# Altium PCB Mirny.PcbDoc (part 6 of 8) (continued)
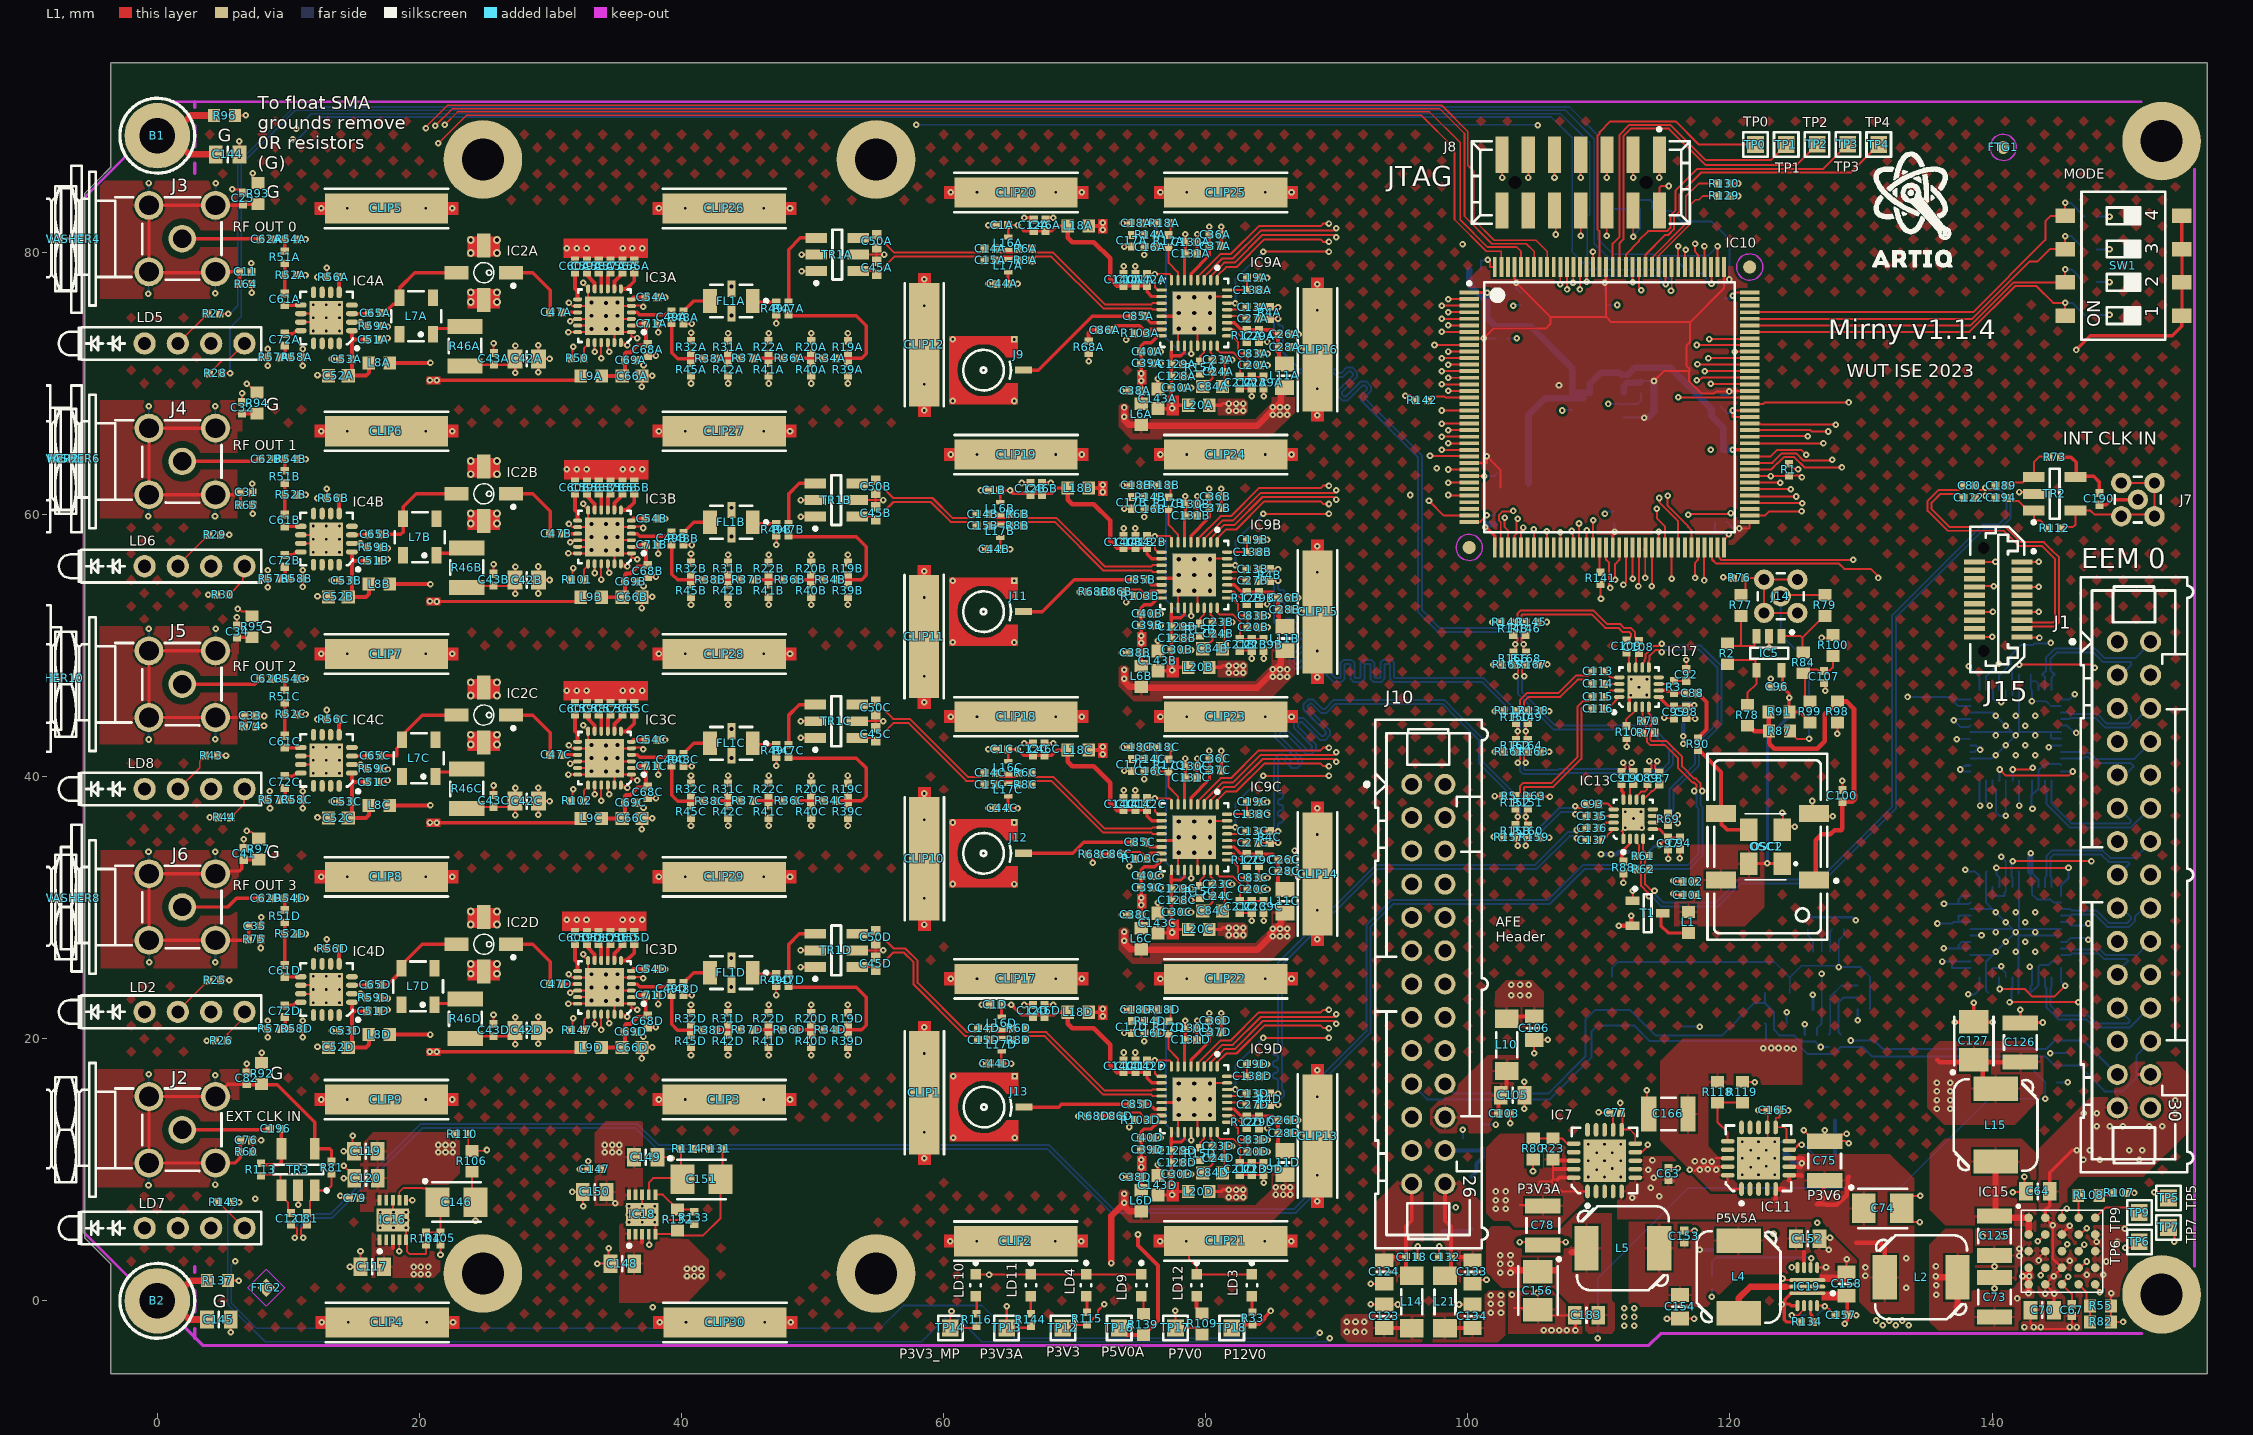
[diagram p0: L1 view]
## Nets (pads, with @x,y where several pads share a name; then routed paths per layer and width w, separated by ;. In a path a pad name is that pad's centre, name@x,y a point inside that pad or via, vN(x,y) a via of type N, cw(c..) or ccw(c..) an arc to the next point about the centre after c; other vN are vias at no path point) (continued)
  L4 w0.35: v1@86.284,28.423 87.11,29.248 91.682,29.248 92.952,30.518 101.905,30.518 102.095,30.709 111.049,30.709 ; v1@110.859,34.074 110.881,34.074 110.951,34.143 110.951,34.166 111.303,34.519 111.303,38.138 113.018,39.853 115.558,39.853 116.447,40.742 v1(116.447,42.52) ; v1(110.922,34.074) 110.922,30.836 111.049,30.709 ; v1@112.51,29.248 111.049,30.709
  L4 w0.5: v1(64.811,-0.413) 64.811,1.545 66.147,2.881 v1(72.789,2.881) ; v1@72.251,22.327 72.251,25.941 v1(73.777,27.468)
  L6 w0.35: v1(110.16,34.074) v1(110.922,34.074) 111.352,34.074 111.542,34.265 L13.2@112.217,34.265 ; v1(116.447,42.52) v1(116.447,43.091) L3.2@116.447,44.005
  other v1: 102.126,7.01 102.904,7.01 102.126,7.684 102.904,7.684 85.347,8.109 102.126,8.343 102.904,8.343 85.347,8.663 85.901,8.663 73.791,28.166 85.665,28.376 73.777,47.468 73.791,48.166 85.665,48.174 73.777,67.468 73.791,68.166 85.665,68.174
P3V6: C63.1 C74.1 C75.2 C160.1 IC7.5 IC7.6 IC7.7 IC7.8 IC11.5 IC11.6 IC11.7 IC11.8 L2.2 | length 18.6
  L1 w0.152: v1(112.547,7.868) 112.843,7.868 ; C63.1@115.304,9.18 115.689,9.18 115.689,9.066
  L1 w0.211: v1(125.473,10.499) 125.66,10.687
  L1 w0.35: 123.481,7.802 IC11.5@123.481,8.53 124.141,8.53 124.162,8.509 ; 124.503,9.202 124.531,9.202 IC11.6@124.531,9.58 125.427,9.58 125.457,9.551 ; IC11.7@124.531,10.23 125.362,10.23 125.381,10.211 ; IC11.8@124.531,10.88 125.524,10.88 125.559,10.846 ; C75.2@127.222,9.175 127.151,9.104 127.151,7.876 126.643,7.368 127.278,7.368 127.329,7.318 128.167,7.318 128.903,8.054 128.903,8.613 128.98,8.689 128.98,9.4 129.056,9.477 ; 129.623,4.445 131.426,4.445 131.809,4.062 L2.2@131.809,1.791 L2.2@131.588,1.57
  L1 w0.406: 123.476,7.544 123.481,7.549 123.481,7.802
  L6 w0.152: v1(125.473,10.499) v1@125.516,10.543
  L6 w0.5: C160.1@124.267,11.178 124.946,10.499 v1(125.473,10.499)
  other v1: 133.444,0.988 130.339,1.92 130.339,2.546 133.444,3.238 114.605,7.982 113.944,8.636 114.194,9.386 113.78,10.006 114.087,10.717
P5V0_VPA: C30A.2 C128A.2 C129A.2 C130A.2 C131A.2 C143A.2 IC9A.6 IC9A.17 IC9A.19 L20A.1 | length 11.7
  L1 w0.25: C143A.2@76.352,68.075 77.397,68.075 v1(77.428,68.105) ; C30A.2@77.376,69.533 77.376,68.728 77.768,68.336 L20A.1@78.674,68.336 ; C30A.2@77.376,69.66 C128A.2@77.376,70.552 C129A.2@77.376,71.452 77.376,72.111 ; 77.376,72.478 77.376,72.111 ; 77.38,72.478 IC9A.17@77.38,72.878 ; IC9A.19@78.38,72.878 78.38,72.378 78.113,72.111 77.376,72.111 ; IC9A.6@78.38,77.878 78.38,79.849 C131A.2@78.439,79.909 C130A.2@78.439,80.783 v1(78.439,81.378)
  other v1: 77.428,68.659
P5V0_VPB: C30B.2 C128B.2 C129B.2 C130B.2 C131B.2 C143B.2 IC9B.6 IC9B.17 IC9B.19 L20B.1 | length 11.7
  L1 w0.25: C143B.2@76.352,48.075 77.397,48.075 v1(77.428,48.105) ; C30B.2@77.376,49.533 77.376,48.728 77.768,48.336 L20B.1@78.674,48.336 ; C30B.2@77.376,49.66 C128B.2@77.376,50.552 C129B.2@77.376,51.452 77.376,52.111 ; 77.376,52.478 77.376,52.111 ; 77.38,52.478 IC9B.17@77.38,52.878 ; IC9B.19@78.38,52.878 78.38,52.378 78.113,52.111 77.376,52.111 ; IC9B.6@78.38,57.878 78.38,59.849 C131B.2@78.439,59.909 C130B.2@78.439,60.783 v1(78.439,61.378)
  other v1: 77.428,48.659
P5V0_VPC: C30C.2 C128C.2 C129C.2 C130C.2 C131C.2 C143C.2 IC9C.6 IC9C.17 IC9C.19 L20C.1 | length 11.7
  L1 w0.25: C143C.2@76.352,28.075 77.397,28.075 v1(77.428,28.105) ; C30C.2@77.376,29.533 77.376,28.728 77.768,28.336 L20C.1@78.674,28.336 ; C30C.2@77.376,29.66 C128C.2@77.376,30.552 C129C.2@77.376,31.452 77.376,32.11 ; 77.376,32.478 77.376,32.11 ; 77.38,32.478 IC9C.17@77.38,32.878 ; IC9C.19@78.38,32.878 78.38,32.378 78.113,32.11 77.376,32.11 ; IC9C.6@78.38,37.878 78.38,39.849 C131C.2@78.439,39.909 C130C.2@78.439,40.783 v1(78.439,41.378)
  other v1: 77.428,28.659
P5V0_VPD: C30D.2 C128D.2 C129D.2 C130D.2 C131D.2 C143D.2 IC9D.6 IC9D.17 IC9D.19 L20D.1 | length 11.7
  L1 w0.25: C143D.2@76.352,8.075 77.397,8.075 v1(77.428,8.105) ; C30D.2@77.376,9.533 77.376,8.728 77.768,8.336 L20D.1@78.674,8.336 ; C30D.2@77.376,9.66 C128D.2@77.376,10.552 C129D.2@77.376,11.452 77.376,12.11 ; 77.376,12.478 77.376,12.11 ; 77.38,12.478 IC9D.17@77.38,12.878 ; IC9D.19@78.38,12.878 78.38,12.378 78.113,12.11 77.376,12.11 ; IC9D.6@78.38,17.878 78.38,19.849 C131D.2@78.439,19.909 C130D.2@78.439,20.783 v1(78.439,21.378)
  other v1: 77.428,8.659
P5V0A: C77.2 C79.2 C119.1 C120.1 C165.2 IC7.10 IC7.11 IC11.10 IC11.11 IC16.9 IC16.10 L8A.2 L8B.2 L8C.2 L8D.2 L9A.1 L9B.1 L9C.1 L9D.1 L20A.2 L20B.2 L20C.2 L20D.2 R110.2 R139.2 TP16.1 | length 180.3
  L1 w0.127: v1(20.801,19.007) 20.852,19.058 28.304,19.058 ; v1(20.803,36.495) 20.854,36.545 28.306,36.545 28.33,36.521 ; v1(20.803,53.374) 20.854,53.424 28.306,53.424 28.33,53.4 ; 26.73,36.521 28.33,36.521 ; 29.872,36.521 28.33,36.521 ; v1(111.631,15.098) 111.631,14.384 111.694,14.321 C77.2@111.694,14.336 ; C77.2@111.719,14.292 111.795,14.216 111.795,13.073 112.379,13.073 112.781,12.671 IC7.10@112.781,11.995 ; 124.314,12.573 124.314,13.104 124.188,13.23 IC11.11@123.481,13.23 123.505,13.254 123.505,13.965 123.759,13.965 123.784,13.99 C165.2@123.784,14.541 124.427,14.541 v1(124.444,14.524)
  L1 w0.152: 124.314,12.573 124.314,12.243 124.377,12.18 IC11.10@124.531,12.18
  L1 w0.25: L20D.2@80.274,8.336 81.175,8.336 81.304,8.465 v1(81.757,8.465) v1(82.311,8.465) v1(82.865,8.465) v1(82.865,7.911) v1(82.311,7.911) v1(81.757,7.911) ; L20C.2@80.274,28.336 81.175,28.336 81.304,28.465 v1(81.757,28.465) v1(82.311,28.465) v1(82.865,28.465) v1(82.865,27.911) v1(82.311,27.911) v1(81.757,27.911) ; L20B.2@80.274,48.336 81.175,48.336 81.304,48.465 v1(81.757,48.465) v1(82.311,48.465) v1(82.865,48.465) v1(82.865,47.911) v1(82.311,47.911) v1(81.757,47.911) ; L20A.2@80.274,68.336 81.175,68.336 81.304,68.465 v1(81.757,68.465) v1(82.311,68.465) v1(82.865,68.465) v1(82.865,67.911) v1(82.311,67.911) v1(81.757,67.911)
  L1 w0.254: v1@20.801,18.995 v1@20.813,18.995 ; v1(20.801,19.007) v1@20.813,18.995 ; v1@20.803,36.483 v1@20.815,36.483 ; v1(20.803,36.495) v1@20.815,36.483 ; v1(20.803,53.374) 20.815,53.362 v1(21.323,53.362) 32.323,53.362 L9B.1@32.323,53.685 ; v1@20.803,70.241 v1(21.323,70.241) 32.323,70.241 L9A.1@32.323,70.564 ; L9D.1@32.321,18.995 v1(21.321,18.995) v1@20.813,18.995 ; L9C.1@32.323,36.806 32.323,36.483 v1(21.323,36.483) v1@20.815,36.483
  L1 w0.3: L8D.2@17.746,20.318 v1(20.839,20.318) ; L8C.2@17.748,37.806 v1(20.841,37.806) ; L8B.2@17.748,54.685 v1(20.841,54.685) ; L8A.2@17.748,71.564 v1(20.841,71.564) ; TP16.1@73.397,-2.07 73.94,-2.613 R139.2@75.237,-2.613 76.352,-1.498 76.352,2.701 74.832,4.222 v1(74.832,5.058)
  L3 w0.127: v1@20.798,71.439 v1@20.828,71.47 ; v1@20.828,71.47 20.841,71.482 v1(20.841,71.564) 20.828,71.552 v1@20.828,71.47
  L3 w0.3: v1(82.865,7.911) 83.184,8.23 83.617,8.23 86.602,5.245 103.222,5.245 107.967,9.99 107.967,12.692 108.872,13.597 110.25,13.597 110.65,13.996 110.65,14.321 111.426,15.098 v1(111.631,15.098) 114.917,15.098 120.913,21.093 124.378,21.093 125.409,20.062 125.409,15.488 v1(124.444,14.524)
  other v1: 21.437,11.334 21.991,11.334 22.545,11.334 21.437,11.888 21.991,11.888 22.545,11.888 20.803,70.253
P5V5: C152.2 C153.2 C154.2 IC19.6 L4.2 L5.1 R135.2 | length 2.1
  L1 w0.3: IC19.6@125.652,2.527 125.652,3.709
  L6 w0.3: v1(117.694,3.905) 117.714,3.885 R135.2@118.625,3.885
P5V5A: C111.2 C117.1 C156.1 C183.2 IC16.1 IC16.2 IC16.3 L5.2 L12.1 | length 8.1
  L1 w0.3: 17.97,4.025 IC16.3@17.97,4.675
  L1 w0.4: L5.2@108.475,4.213 L5.2@108.675,4.013
  L1 w0.5: v1@103.312,2.338 106.688,2.338 ; 107.925,3.713 L5.2@109.481,3.713
  L6 w0.3: C111.2@98.068,5.324 100.146,5.324 L12.1@100.291,5.469
  other v1: 19.554,2.028 20.108,2.028 20.662,2.028 102.477,2.137 103.254,2.137 19.554,2.582 20.108,2.582 20.662,2.582 102.477,2.812 103.254,2.812 102.477,3.471 103.254,3.471
P7V0A: C42A.2 C42B.2 C42C.2 C42D.2 C43A.2 C43B.2 C43C.2 C43D.2 C147.2 C149.1 C150.1 IC18.9 IC18.10 R46A.1 R46B.1 R46C.1 R46D.1 R109.2 R133.2 TP17.1 | length 83.2
  L1 w0.17: R46A.1@23.476,71.341 23.565,71.43 26.83,71.43 C42A.2@27.28,71.88 ; R46D.1@23.508,20.02 23.613,20.02 23.777,20.184 C43D.2@25.653,20.184 ; R46C.1@23.613,37.565 23.72,37.672 C43C.2@25.655,37.672 ; R46B.1@23.613,54.444 23.72,54.551 C43B.2@25.655,54.551 ; C43D.2@25.653,20.209 C43D.2@25.653,20.184 ; C43C.2@25.655,37.697 C43C.2@25.655,37.672 ; C43B.2@25.655,54.576 C43B.2@25.655,54.551 ; C42D.2@27.253,20.659 C42D.2@27.278,20.634 ; C42C.2@27.255,38.147 C42C.2@27.28,38.122 ; C42B.2@27.255,55.026 C42B.2@27.28,55.001 ; C42A.2@27.255,71.905 C42A.2@27.28,71.88 ; v1(27.303,19.578) 27.303,20.609 C42D.2@27.278,20.634 ; v1(27.305,37.065) 27.305,38.097 C42C.2@27.28,38.122 ; v1(27.305,53.944) 27.305,54.976 C42B.2@27.28,55.001 ; v1(27.305,70.824) 27.305,71.855 C42A.2@27.28,71.88 ; C42D.2@27.325,20.61 27.325,20.659 v1(27.325,21.641) ; C42C.2@27.327,38.097 27.327,38.147 v1(27.327,39.129) ; C42B.2@27.327,54.976 27.327,55.026 v1(27.327,56.008) ; C42A.2@27.327,71.856 27.327,71.905 v1(27.327,72.887) ; v1(38.753,6.371) 38.949,6.175 40.418,6.175 40.526,6.066 40.767,6.066 R133.2@40.972,5.861 ; v1(77.662,-0.746) 77.692,-0.775 TP17.1@77.692,-2.07 78.852,-2.07 78.874,-2.048 79.2,-2.048 R109.2@79.721,-2.569 ; C43D.2@25.653,20.184 26.828,20.184 C42D.2@27.278,20.634 ; C43C.2@25.655,37.672 26.83,37.672 C42C.2@27.28,38.122 ; C43B.2@25.655,54.551 26.83,54.551 C42B.2@27.28,55.001
  L4 w0.17: v1(37.81,-0.5) 38.322,0.012 50.795,0.012 51.43,-0.624 57.612,-0.624 57.899,-0.337 64.081,-0.337 64.619,-0.875 71.032,-0.875 71.16,-0.746 v1(77.662,-0.746)
  L3 w0.17: v1(34.948,7.453) 34.948,6.396 35.843,5.501 37.911,5.501 38.011,5.401 38.011,5.238 ; v1(37.81,-0.5) 37.81,2.037 38.011,2.238 38.011,5.238 ; v1(38.753,6.371) 38.753,5.98 38.011,5.238
  other v1: 34.151,11.334 34.705,11.334 35.258,11.334 34.151,11.888 34.705,11.888 35.258,11.888
P7V5: C123.2 C126.2 C127.1 C148.1 IC18.1 IC18.2 IC18.3 L14.1 L15.2 R53.2 | length 14.6
  L1 w0.3: 36.973,4.447 36.973,4.665 37,4.692 IC18.3@37,5.097 ; C123.2@93.623,-2.084 93.627,-2.088 L14.1@95.719,-2.088
  L1 w0.35: 135.812,18.409 136.022,18.199 C127.1@138.608,18.199 ; L15.2@138.989,16.475 139.275,16.761 139.275,18.184 139.26,18.199 C127.1@138.608,18.199 ; C126.2@142.164,18.21 138.783,18.21 C127.1@138.608,18.385 C127.1@138.608,18.199
  L6 w0.3: R53.2@128.022,11.122 128.022,13.77 128.031,13.779
  other v1: 90.769,-2.376 91.428,-2.376 92.102,-2.376 90.769,-1.598 91.428,-1.598 92.102,-1.598 40.418,1.89 40.972,1.89 41.525,1.89 40.418,2.444 40.972,2.444 41.525,2.444 135.794,14.643 136.817,14.643 135.794,15.318 136.817,15.318 135.794,15.977 136.817,15.977 135.794,16.651 136.817,16.651
P12V0: C64.2 C70.2 C134.2 C157.2 C158.2 IC15.A2 IC15.B3 IC15.D3 IC15.E2 IC19.1 IC19.8 J1.28 J1.29 L21.2 R33.1 R134.2 TP18.1 | length 51.4
  L1 w0.211: IC15.A2@144.064,6.331 v1(144.627,5.768) 144.627,3.228 IC15.D3@145.334,2.521 v1(144.699,1.886) IC15.E2@144.064,1.251 144.734,0.581 v1(144.734,0.546) C70.2@144.734,-0.709
  L1 w0.254: TP18.1@81.986,-2.07 82.821,-2.07 83.068,-1.824 83.558,-1.824 R33.1@83.578,-1.804 84.088,-1.804 84.505,-1.387 84.505,-1.24 v1(84.97,-0.775) ; v1(123.94,-0.279) 123.973,-0.246 124.549,-0.246 124.676,-0.373 IC19.8@125.152,-0.373 ; v1@124.136,-0.428 124.136,-1.463 124.285,-1.612 R134.2@125.429,-1.612 R134.2@125.266,-1.449 ; 124.191,-0.119 124.191,0.091 124.677,0.577 IC19.1@125.902,0.577 128.705,0.577 C158.2@128.896,0.386 128.958,0.324 C157.2@128.958,-1.095 ; v1(128.761,-1.751) 128.761,-1.686 128.958,-1.489 C157.2@128.958,-1.095 ; v1(129.624,-1.095) C157.2@128.958,-1.095 ; IC15.A2@144.064,6.331 144.064,6.929 144.394,7.259 C64.2@144.394,8.347 144.394,9.785 146.108,11.499 v1(146.473,11.499) ; IC15.B3@145.334,5.061 145.334,5.104 145.916,5.686 v1(145.916,5.729) ; 151.179,17.267 J1.28@152.098,17.267
  L1 w0.3: L21.2@98.259,-2.088 100.35,-2.088 C134.2@100.354,-2.084
  L4 w0.254: v1(84.97,-0.775) 92.64,-0.775 93.048,-1.184 97.228,-1.184 97.507,-0.905 v1(101.753,-0.905)
  other v1: 111.922,-1.907 112.7,-1.907 131.655,-1.867 132.655,-1.867 133.655,-1.867 131.147,-1.501 132.147,-1.501 133.147,-1.501 111.922,-1.232 112.7,-1.232 102.531,-0.905 111.922,-0.573 112.7,-0.573 101.753,-0.23 102.531,-0.23 101.753,0.429 102.531,0.429 144.064,0.538 145.916,3.053 146.973,10.749 148.223,10.749 151.223,10.749 147.473,11.499 150.473,11.499 151.473,11.499 147.988,13.31 148.988,13.31 149.988,13.31 151.988,13.31 152.988,13.31 146.988,14.309 147.988,14.309 153.988,14.309 153.988,15.309
PGOOD: IC7.9 IC11.9 IC15.B4 IC15.D4 IC16.4 IC18.4 IC19.7 LD7.2 R53.1 | length 227.3
  L1 w0.127: v1(18.47,3.782) IC16.4@18.47,4.675 ; IC18.4@37.5,5.097 37.549,5.048 v1(37.549,4.274) ; v1(124.728,2.544) 125.136,2.544 IC19.7@125.152,2.527
  L1 w0.152: IC7.9@112.781,11.345 113.279,11.345 113.581,11.647 ; IC11.9@124.531,11.53 IC11.9@124.881,11.53 ; IC15.D4@146.604,2.521 146.745,2.521 v1(147.223,2.999) ; IC15.B4@146.745,5.061 v1(147.223,5.539) ; IC11.9@124.881,11.53 125.117,11.766 ; IC11.9@124.881,11.53 125.117,11.766 ; 125.117,11.766 125.117,11.846 125.284,12.013 125.284,11.933 125.117,11.766
  L4 w0.127: v1(5.957,3.023) 13.004,3.023 14.197,4.215 18.251,4.215 ; v1(18.47,3.782) 18.47,3.883 18.251,4.102 18.251,4.215 ; v1(37.549,4.274) 34.791,4.274 33.411,5.654 19.69,5.654 18.251,4.215 ; v1(124.728,2.544) 124.728,4.034 v1(126.659,5.966)
  L3 w0.127: LD7.2@1.569,5.55 4.096,3.023 v1(5.957,3.023) ; v1(88.697,-2.438) 89.999,-1.137 99.243,-1.137 101.537,1.157 105.404,1.157 110.65,6.404 110.65,7.301 111.24,7.891 111.24,9.628 111.498,9.886 111.711,9.886 v1(113.722,11.897)
  L3 w0.152: v1(113.722,11.897) 114.131,11.897 115.1,10.928 115.1,9.689 116.178,8.611 120.803,8.611 123.447,5.966 v1(126.659,5.966) ; v1(125.464,11.913) 126.659,10.717 v1(126.659,5.966) ; v1(147.223,5.539) 146.553,5.539 146.29,5.276 145.715,5.276 145.223,4.783 145.223,3.844 145.561,3.506 146.716,3.506 v1(147.223,2.999) 146.546,2.322 146.546,1.511 144.533,-0.501 135.814,-0.501 134.671,0.642 134.671,2.756 131.461,5.966 v1(126.659,5.966)
  L6 w0.127: v1(5.957,3.023) 5.639,2.705 5.639,-0.174 7.546,-2.082 55.186,-2.082 56.91,-0.358 62.922,-0.358 65.429,-2.864 88.271,-2.864 v1(88.697,-2.438) ; v1@125.464,12.097 v1(125.464,11.913) 125.564,11.913 125.763,11.714 125.83,11.714 R53.1@126.422,11.122
R\E\_DE0: IC1.1 IC1.40 IC10.81 | length 44.3
  L1 w0.152: IC10.81@121.504,63.434 123.137,63.434 123.622,63.919 ; 123.636,63.905 124.109,64.378 124.898,64.378 125.688,63.587 v1(128.545,63.587)
  L3 w0.152: v1(128.545,63.587) 128.528,63.57 128.528,61.548 133.924,56.153 137.514,56.153 139.88,53.787 143.346,53.787 144.465,52.669 v1(144.465,50.196) 144.465,48.218 146.319,46.364 v1(146.319,46.288)
  L6 w0.152: IC1.40@140.544,46.588 140.544,47.738 141.394,48.588 141.394,49.231 142.188,50.025 143.091,50.025 143.219,50.152 144.421,50.152 v1(144.465,50.196) ; IC1.1@145.244,45.888 145.919,45.888 v1(146.319,46.288)
R\E\_DE1: IC1.5 IC1.42 IC10.82 | length 45.3
  L1 w0.152: IC10.82@121.504,63.934 123.241,63.934 123.965,64.657 125.063,64.657 125.61,64.11 127.75,64.11 v1(127.813,64.173) ; v1(142.084,48.541) 147.584,48.541 v1(147.834,48.291)
  L3 w0.152: v1(127.813,64.173) 127.813,61.263 132.071,57.005 133.482,55.594 134.681,55.594 138.261,52.015 139.457,52.015 140.469,51.002 140.469,50.156 v1(142.084,48.541) ; v1(146.426,43.331) 146.426,43.383 147.834,44.791 v1(147.834,48.291)
  L6 w0.152: IC1.42@141.544,46.238 IC1.42@141.544,46.588 141.544,47.346 141.506,47.384 141.506,48.193 141.639,48.327 141.87,48.327 v1(142.084,48.541) ; IC1.5@145.244,43.888 145.737,43.888 146.295,43.331 v1(146.426,43.331)
R\E\_DE2: IC1.8 IC1.19 IC10.83 | length 43
  L1 w0.152: IC10.83@121.504,64.434 123.099,64.434 123.602,64.936 125.45,64.936 v1(125.824,64.563) ; v1(141.584,40.541) 142.85,40.541 143.091,40.782 v1(143.091,40.661)
  L3 w0.152: v1(125.824,64.563) 125.824,63.247 126.575,62.496 126.575,60.47 131.157,55.888 131.609,55.888 132.038,55.459 132.038,54.727 136.237,50.527 136.237,48.308 137.782,46.763 140.334,46.763 141.316,45.782 141.316,44.293 141.522,44.086 141.522,43.69 141.316,43.484 141.316,42.793 141.522,42.586 141.522,42.19 141.316,41.984 141.316,41.44 141.584,41.172 v1(141.584,40.541) ; v1(143.091,40.661) 144.334,41.904 v1(144.334,42.236)
  L6 w0.152: IC1.19@141.544,39.688 141.584,39.728 v1(141.584,40.541) ; v1(144.334,42.236) 144.487,42.388 IC1.8@145.244,42.388
R\E\_DE3: IC1.12 IC1.21 IC10.85 | length 49
  L1 w0.152: IC10.85@121.504,65.434 v1(127.134,65.434) ; v1(140.584,40.541) 141.046,40.079 145.855,40.079 v1(146.165,40.388)
  L3 w0.152: v1(127.134,65.434) 127.081,65.381 127.081,63.234 127.134,63.181 127.134,61.153 133.516,54.771 133.516,54.518 136.862,51.171 136.862,48.473 137.803,47.532 140.932,47.532 142.176,46.288 143.747,46.288 145.085,44.951 145.085,41.468 v1(146.165,40.388)
  L6 w0.152: IC1.21@140.544,39.688 140.584,39.728 v1(140.584,40.541) ; IC1.12@145.244,40.388 v1(146.165,40.388)
R\E\_DE4: IC6.1 IC6.40 IC10.86 | length 57.7
  L1 w0.152: IC10.86@121.504,65.934 121.527,65.911 121.597,65.981 v1(125.942,65.981) ; v1(140.334,33.041) v1(145.834,33.041)
  L3 w0.152: v1(125.942,65.981) 126.802,65.121 126.802,62.879 126.854,62.827 126.854,60.585 130.701,56.739 131.142,56.739 131.713,56.167 131.724,56.167 132.317,55.575 132.317,54.842 136.517,50.643 136.517,48.424 137.756,47.184 140.684,47.184 141.522,46.346 141.723,46.346 142.863,45.207 143.747,45.207 144.787,44.167 144.787,34.088 v1(145.834,33.041)
  L6 w0.152: v1(140.334,33.041) 140.334,32.541 140.584,32.291 140.584,31.628 IC6.40@140.544,31.588 ; IC6.1@145.244,30.888 145.244,31.67 145.834,32.26 v1(145.834,33.041)
R\E\_DE5: IC6.5 IC6.42 IC10.87 | length 64.8
  L1 w0.152: IC10.87@121.504,66.434 126.129,66.434 126.231,66.332 v1(127.496,66.332) ; v1(141.584,33.541) v1(147.584,33.541)
  L3 w0.152: v1(127.496,66.332) 127.496,65.712 127.587,65.621 127.587,64.917 127.36,64.69 127.36,63.349 127.534,63.176 127.534,61.148 131.956,56.726 135.849,52.833 136.109,52.833 137.514,51.428 137.514,49.851 139.399,47.966 141.328,47.966 142.531,46.763 144.186,46.763 145.403,45.546 145.403,42.01 147.584,39.828 v1(147.584,33.541) 147.584,29.041 v1(147.334,28.791)
  L6 w0.152: IC6.42@141.544,31.588 141.544,32.296 141.481,32.359 141.481,33.438 v1(141.584,33.541) v1@141.584,33.675 ; IC6.5@145.244,28.888 145.801,28.888 146.039,28.65 147.193,28.65 v1(147.334,28.791)
R\E\_DE6: IC6.8 IC6.19 IC10.88 | length 72.9
  L1 w0.152: IC10.88@121.504,66.934 122.302,66.934 122.381,66.854 v1(128.075,66.854) ; v1(141.334,22.791) v1(146.584,22.791)
  L3 w0.152: v1(128.075,66.854) 128.075,65.45 128.266,65.259 128.266,63.949 128.092,63.775 128.092,61.555 133.774,55.874 136.862,55.874 139.381,53.354 141.703,53.354 142.544,52.513 142.544,51.781 142.942,51.383 143.696,51.383 144.07,51.009 144.07,50.442 144.012,50.384 144.012,48.276 145.694,46.594 145.694,42.113 148.07,39.737 148.07,28.277 v1(147.334,27.541) 146.584,26.791 v1(146.584,22.791)
  L6 w0.152: v1(141.334,22.791) 141.481,22.938 141.481,23.868 141.544,23.931 IC6.19@141.544,24.688 ; IC6.8@145.244,27.388 145.701,27.388 146.014,27.702 147.173,27.702 v1(147.334,27.541)
R\E\_DE7: IC6.12 IC6.21 IC10.91 | length 78.7
  L1 w0.152: IC10.91@121.504,68.434 122.556,68.434 122.671,68.549 v1(129.062,68.549) ; v1(140.584,23.791) 142.483,23.791 143.044,23.23 144.773,23.23 v1(145.584,24.041)
  L3 w0.152: v1(129.062,68.549) 129.062,61.573 134.203,56.432 138.261,56.432 139.118,55.575 143.78,55.575 144.918,54.437 144.918,48.384 146.811,46.492 146.811,45.782 145.973,44.944 145.973,43.09 148.387,40.676 148.387,23.914 146.811,22.338 146.396,22.338 145.584,23.15 v1(145.584,24.041)
  L6 w0.152: IC6.21@140.544,24.688 140.544,23.831 v1(140.584,23.791) ; IC6.12@145.244,25.388 145.244,24.381 v1(145.584,24.041)
RF_OUT0: C62A.2 J3.1 | length 6
  L1 w0.265: J3.1@1.9,81.05 7.8,81.05 C62A.2@7.862,80.988
RF_OUT1: C62B.2 J4.1 | length 6
  L1 w0.265: J4.1@1.9,64.05 7.683,64.05 C62B.2@7.862,64.228
RF_OUT2: C62C.2 J5.1 | length 6.1
  L1 w0.265: J5.1@1.9,47.05 7.444,47.05 C62C.2@7.862,47.468
RF_OUT3: C62D.2 J6.1 | length 6.2
  L1 w0.265: J6.1@1.9,30.05 5.388,30.05 6.046,30.708 C62D.2@7.863,30.708
RFSW_CTRL0: IC4A.2 IC10.136 R59A.2 | length 157.7
  L1 w0.127: v1(20.498,89.467) 20.498,89.582 22.142,91.226 98.001,91.226 100,89.227 100,86.652 100.429,86.223 100.429,82.502 102.008,80.923 105.196,80.923 106.054,80.065 IC10.136@106.054,78.884
  L3 w0.127: v1(15.506,74.675) 15.506,74.888 15.506,75.294 15.527,75.315 16.784,75.315 16.806,75.337 16.806,75.721 16.784,75.742 15.506,75.742 14.363,75.742 14.342,75.764 14.342,76.148 14.363,76.169 15.506,76.169 16.784,76.169 16.806,76.191 16.806,76.575 16.784,76.596 15.506,76.596 14.227,76.596 14.206,76.618 14.206,77.002 14.227,77.023 15.506,77.023 16.784,77.023 16.806,77.045 16.806,77.429 16.784,77.45 15.506,77.45 14.227,77.45 14.206,77.472 14.206,77.856 14.227,77.877 15.506,77.877 16.784,77.877 16.806,77.899 16.806,78.283 16.784,78.304 15.506,78.304 14.227,78.304 14.206,78.326 14.206,78.71 14.227,78.731 15.506,78.731 16.784,78.731 16.806,78.753 16.806,79.137 16.784,79.158 15.506,79.158 14.227,79.158 14.206,79.18 14.206,79.564 14.227,79.585 15.506,79.585 16.784,79.585 16.806,79.607 16.806,79.991 16.784,80.012 15.506,80.012 14.227,80.012 14.206,80.034 14.206,80.418 14.227,80.439 15.506,80.439 16.784,80.439 16.806,80.461 16.806,80.845 16.784,80.866 15.506,80.866 14.227,80.866 14.206,80.888 14.206,81.272 14.227,81.293 15.506,81.293 16.784,81.293 16.806,81.315 16.806,81.699 16.784,81.72 15.506,81.72 14.227,81.72 14.206,81.742 14.206,82.126 14.227,82.147 15.506,82.147 16.784,82.147 16.806,82.169 16.806,82.553 16.784,82.574 15.506,82.574 14.754,82.574 14.733,82.596 14.733,82.98 14.754,83.001 15.484,83.001 15.506,83.023 15.506,83.106 15.506,84.041 20.498,89.033 v1(20.498,89.467)
RFSW_CTRL1: IC4B.2 IC10.138 R59B.2 | length 157.6
  L1 w0.127: v1(21.196,89.657) 21.218,89.657 22.532,90.972 97.839,90.972 99.746,89.065 99.746,82.759 101.836,80.669 104.46,80.669 105.054,80.075 IC10.138@105.054,78.884
  L3 w0.127: v1(15.506,57.795) 15.506,58.009 15.506,58.414 15.527,58.436 16.484,58.436 16.506,58.457 16.506,58.841 16.484,58.863 15.506,58.863 14.527,58.863 14.506,58.884 14.506,59.268 14.527,59.29 15.506,59.29 16.484,59.29 16.506,59.311 16.506,59.695 16.484,59.717 15.506,59.717 14.527,59.717 14.506,59.738 14.506,60.122 14.527,60.144 15.506,60.144 16.484,60.144 16.506,60.165 16.506,60.549 16.484,60.571 15.506,60.571 14.527,60.571 14.506,60.592 14.506,60.976 14.527,60.998 15.506,60.998 16.484,60.998 16.506,61.019 16.506,61.403 16.484,61.425 15.506,61.425 14.527,61.425 14.506,61.446 14.506,61.83 14.527,61.852 15.506,61.852 16.484,61.852 16.506,61.873 16.506,62.257 16.484,62.279 15.506,62.279 14.527,62.279 14.506,62.3 14.506,62.684 14.527,62.706 15.506,62.706 16.484,62.706 16.506,62.727 16.506,63.111 16.484,63.133 15.506,63.133 14.527,63.133 14.506,63.154 14.506,63.538 14.527,63.56 15.506,63.56 16.484,63.56 16.506,63.581 16.506,63.965 16.484,63.987 15.506,63.987 14.527,63.987 14.506,64.008 14.506,64.392 14.527,64.414 15.506,64.414 16.484,64.414 16.506,64.435 16.506,64.819 16.484,64.841 15.527,64.841 15.506,64.862 15.506,64.95 15.506,73.595 17.798,75.887 17.798,85.719 17.797,85.973 21.196,89.372 v1(21.196,89.657)
RFSW_CTRL2: IC4C.2 IC10.140 R59C.2 | length 156.9
  L1 w0.127: v1(21.931,89.748) 22.901,90.718 97.077,90.718 99.417,88.378 99.417,82.487 101.488,80.415 103.73,80.415 104.054,80.092 IC10.140@104.054,78.884
  L3 w0.127: v1(15.506,40.916) 15.506,41.13 15.506,41.535 15.527,41.557 16.484,41.557 16.506,41.578 16.506,41.962 16.484,41.984 15.506,41.984 14.527,41.984 14.506,42.005 14.506,42.389 14.527,42.411 15.506,42.411 16.484,42.411 16.506,42.432 16.506,42.816 16.484,42.838 15.506,42.838 14.527,42.838 14.506,42.859 14.506,43.243 14.527,43.265 15.506,43.265 16.484,43.265 16.506,43.286 16.506,43.67 16.484,43.692 15.506,43.692 14.527,43.692 14.506,43.713 14.506,44.097 14.527,44.119 15.506,44.119 16.484,44.119 16.506,44.14 16.506,44.524 16.484,44.546 15.527,44.546 15.506,44.567 15.506,44.679 15.506,53.894 18.052,56.44 18.052,85.868 v1(21.931,89.748)
RFSW_CTRL3: IC4D.2 IC10.143 R59D.2 | length 158.4
  L1 w0.127: v1(21.45,88.324) 23.591,90.464 96.442,90.464 98.984,87.922 98.984,82.502 101.41,80.076 102.554,80.076 IC10.143@102.554,78.884
  L3 w0.127: v1(15.504,23.429) 18.306,26.23 18.305,85.763 20.866,88.324 v1(21.45,88.324)
SG0: C76.2 C82.1 J2.2 NT17.1 NT18.1 NT19.1 NT20.1 R60.1 R81.1 R92.2 TR3.6 | length 32
  L1 w0.254: C76.2@6.347,12.238 6.337,12.228 6.337,11.411 6.327,11.401 6.327,10.931 5.907,10.51 J2.2@-0.64,10.51 J2.2@-0.64,15.59 J2.2@4.44,15.59 5.38,16.53 C82.1@6.82,16.53 ; C82.1@6.82,16.488 7.961,16.488 9.167,16.488 12.014,13.641 TR3.6@12.014,11.607 13.147,11.607 13.296,11.459 R81.1@13.296,10.632
SG1: C11.1 C25.2 J3.2 NT1.1 NT2.1 NT3.1 NT4.1 R64.1 R93.2 | length 21.3
  L1 w0.254: J3.2@-0.64,78.51 J3.2@-0.64,83.59 J3.2@4.44,83.59 6.45,83.59 C25.2@6.535,83.675 7.666,83.675 R93.2@7.676,83.685 ; J3.2@-0.578,78.448 J3.2@4.496,78.448 ; J3.2@4.44,78.51 6.272,78.51 C11.1@6.274,78.508 6.274,77.556 R64.1@6.251,77.533
SG2: C31.1 C32.2 J4.2 NT5.1 NT6.1 NT7.1 NT8.1 R65.1 R94.2 | length 20.2
  L1 w0.254: J4.2@-0.64,61.324 J4.2@-0.64,61.51 ; J4.2@-0.64,66.528 J4.2@-0.64,61.51 ; J4.2@-0.64,66.59 J4.2@5.24,66.59 ; R65.1@6.352,60.736 C31.1@6.352,61.688 6.174,61.51 J4.2@4.44,61.51 J4.2@-0.64,61.51 ; C32.2@6.465,67.696 7.596,67.696 R94.2@7.607,67.706
SG3: C33.1 C34.2 J5.2 NT9.1 NT10.1 NT11.1 NT12.1 R74.1 R95.2 | length 19
  L1 w0.254: J5.2@-0.64,44.51 J5.2@4.44,44.51 6.43,44.51 C33.1@6.662,44.742 ; J5.2@-0.64,44.928 J5.2@-0.64,49.59 J5.2@4.44,49.59 ; C34.2@6.089,50.621 7.22,50.621 R95.2@7.231,50.631 ; R74.1@6.67,44.001 C33.1@6.67,44.742
SG4: C35.1 C41.2 J6.2 NT13.1 NT14.1 NT15.1 NT16.1 R75.1 R97.2 | length 22.1
  L1 w0.254: J6.2@-0.64,27.51 J6.2@4.44,27.51 R75.1@6.941,27.51 ; J6.2@-0.64,28.168 J6.2@-0.64,32.59 J6.2@4.44,32.59 4.652,32.802 6.295,32.802 6.444,32.951 6.444,33.506 C41.2@6.595,33.657 7.726,33.657 R97.2@7.737,33.667 ; R75.1@6.975,27.638 6.975,27.932 C35.1@6.975,28.59
TP0: IC10.128 TP0.1 | length 23.4
  L1 w0.152: IC10.128@110.054,78.884 110.054,81.594 109.908,81.74 109.908,88.908 110.054,89.055 110.054,89.177 110.882,90.005 115.859,90.005 117.633,88.231 TP0.1@121.948,88.231
TP1: IC10.126 TP1.1 | length 25
  L1 w0.152: IC10.126@111.054,78.884 111.054,80.669 111.554,81.169 111.554,88.95 112.33,89.725 115.458,89.725 118.151,87.033 123.1,87.033 TP1.1@124.299,88.231
TP2: IC10.125 TP2.1 | length 27
  L1 w0.152: IC10.125@111.554,78.884 111.554,80.675 111.875,80.996 111.875,88.875 112.446,89.446 115.342,89.446 118.136,86.652 125.062,86.652 TP2.1@126.65,88.24
TP3: IC10.124 TP3.1 | length 22.9
  L1 w0.152: IC10.124@112.054,78.884 112.054,79.834 113.054,80.834 113.054,80.923 113.752,81.621 115.195,81.621 115.445,81.871 115.445,82.79 115.859,83.204 115.859,84.731 117.501,86.373 127.134,86.373 TP3.1@129,88.24
TP4: IC10.121 TP4.1 | length 23.6
  L1 w0.127: IC10.121@113.535,78.903 IC10.121@113.554,78.884 ; TP4.1@131.35,88.23 TP4.1@131.364,88.23
  L1 w0.152: IC10.121@113.554,78.884 113.554,79.834 115.062,81.342 115.311,81.342 115.725,81.755 115.725,82.675 116.138,83.088 116.138,84.409 117.823,86.093 129.214,86.093 131.35,88.23 TP4.1@131.351,88.231
VCO_CE0: IC9A.4 IC10.19 | length 33.9
  L1 w0.152: IC9A.4@79.38,77.878 79.38,78.129 81.13,79.879 81.929,79.879 84.055,82.005 88.761,82.005 88.956,82.201 v1(89.401,82.201) ; v1(98.001,67.934) IC10.19@100.104,67.934
  L3 w0.152: v1(89.401,82.201) 89.506,82.306 90.16,82.306 92.888,79.578 92.888,70.714 95.668,67.934 v1(98.001,67.934)
VCO_CE1: IC9B.4 IC10.28 | length 23.2
  L1 w0.152: IC9B.4@79.38,57.878 79.38,58.129 81.13,59.879 81.929,59.879 84.055,62.005 88.761,62.005 88.956,62.201 v1(89.401,62.201) ; v1(98.509,63.434) IC10.28@100.104,63.434
  L3 w0.152: v1(89.401,62.201) 90.103,62.903 97.811,62.903 97.879,62.97 98.046,62.97 v1(98.509,63.434)
VCO_CE2: IC9C.4 IC10.40 | length 43.6
  L1 w0.152: IC9C.4@79.38,37.878 79.38,38.129 81.13,39.879 81.929,39.879 84.055,42.005 88.761,42.005 88.956,42.201 v1(89.401,42.201) ; IC10.40@103.554,57.484 103.554,58.367 103.727,58.54 103.727,59.587 v1(103.803,59.663)
  L3 w0.152: v1(89.401,42.201) 89.693,42.493 89.693,55.365 93.808,59.48 101.642,59.48 101.709,59.548 101.862,59.548 102.102,59.308 102.999,59.308 103.003,59.312 103.452,59.312 v1(103.803,59.663)